# Allegro board buddy_lay_rev1.brd (continued)
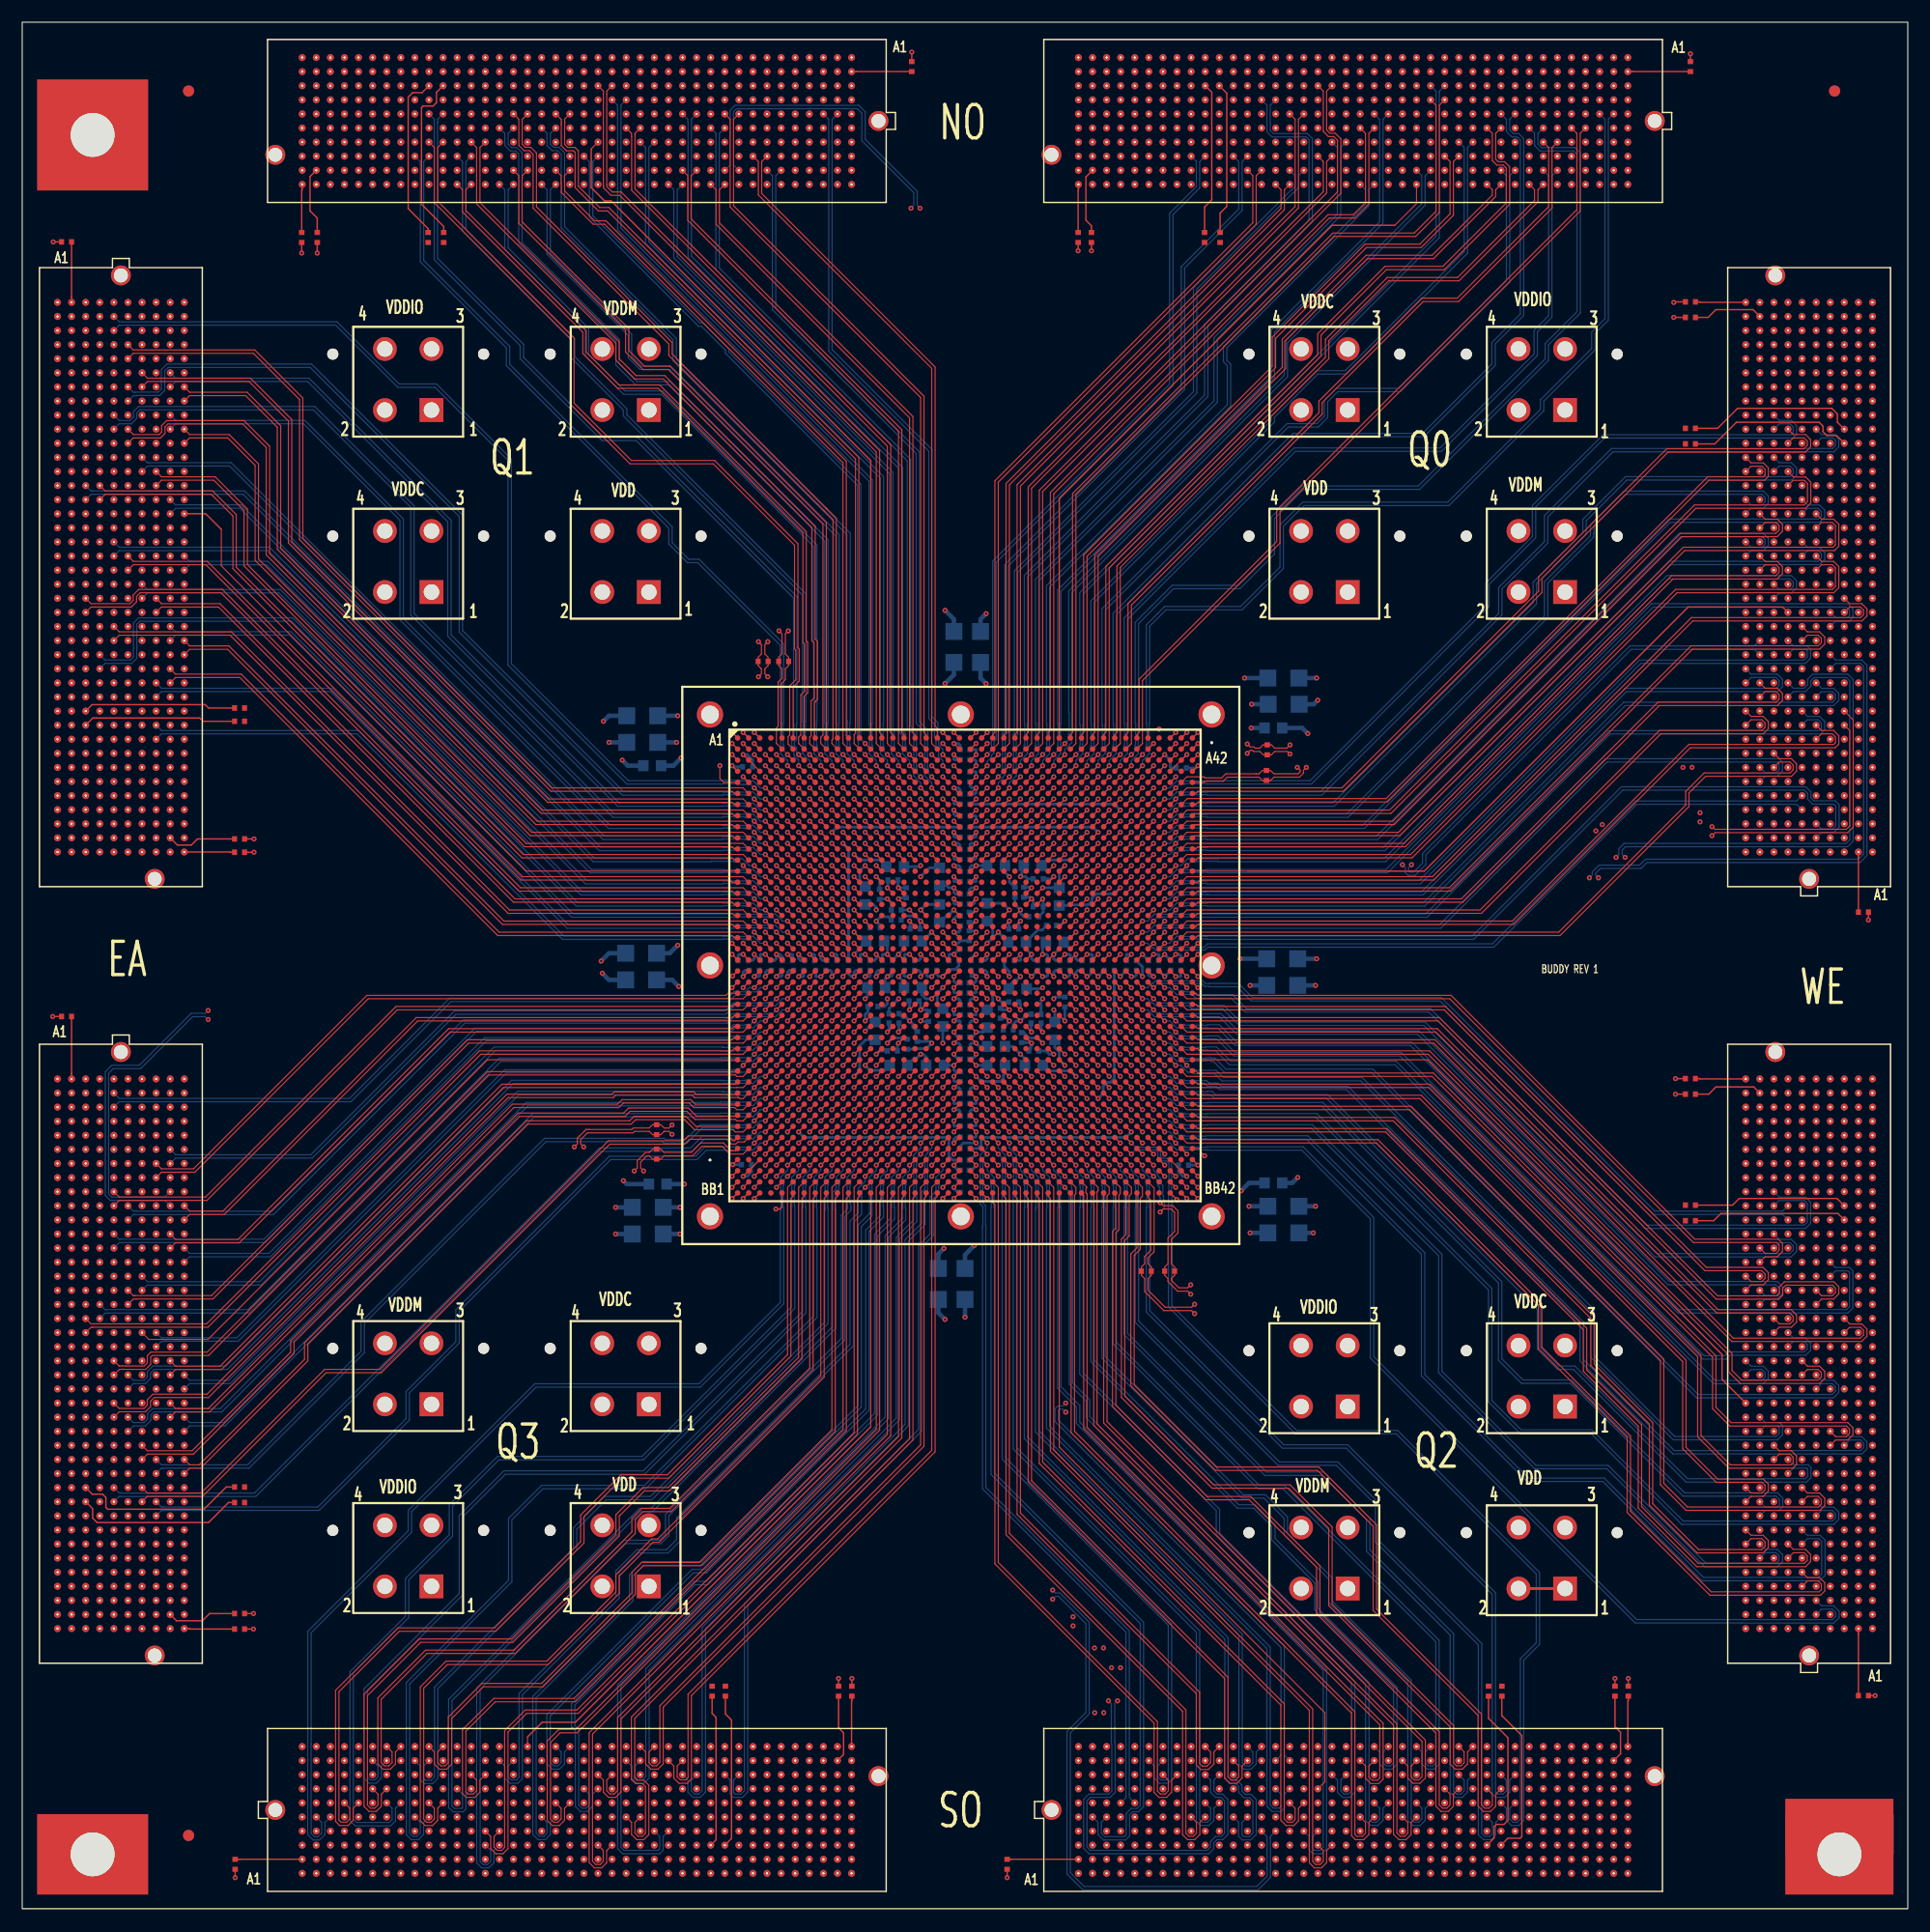
[diagram p0: board, top side]
## Routing (per net, layer and track width the routed paths; a pad name or vN(x,y) marks a point on that pad's centre or on a via; arc(x,y) is an arc through that point) (continued)
157.13,53.18 ; J4.J23 156.66,52.71 ; J4.J23 156.66,53.66 ; 10.8,144.76 10.8,145.23 ; 10.8,144.76 10.33,144.76 ; 10.8,144.76 10.8,144.28 ; 10.8,144.76 11.28,144.76 ; 34.13,5.72 34.13,6.2 ; 34.13,5.72 34.61,5.72 ; 34.13,5.72 34.13,5.25 ; 34.13,5.72 33.66,5.72 ; J7.D25 7,44.77 ; J7.D25 7.47,44.29 ; J7.D25 7,43.82 ; J7.D25 6.52,44.29 ; 9.06,115.55 J8.F24 ; J8.F24 9.54,116.02 ; J8.F24 9.54,115.07 ; J8.F24 10.01,115.55 ; 157.45,116.82 J3.H18 ; J3.H18 158.4,116.82 ; J3.H18 157.93,117.29 ; J3.H18 157.93,116.34 ; 115.07,13.35 J5.J17 ; J5.J17 115.55,13.82 ; J5.J17 116.02,13.35 ; J5.J17 115.55,12.87 ; 163.8,65.88 J4.C33 ; J4.C33 164.28,66.36 ; J4.C33 164.75,65.88 ; J4.C33 164.28,65.41 ; 41.75,10.33 41.75,10.8 ; 41.75,10.8 42.23,10.8 ; 41.75,10.8 41.28,10.8 ; 41.75,10.8 41.75,11.28 ; 141.74,160.47 J2.F3 ; J2.F3 142.22,160.94 ; J2.F3 142.69,160.47 ; J2.F3 142.22,159.99 ; 13.35,70.96 13.82,70.96 ; 13.35,70.96 13.35,70.49 ; 13.35,70.96 12.87,70.96 ; 13.35,70.96 13.35,71.44 ; 50.17,14.62 J6.K21 ; J6.K21 50.64,15.09 ; J6.K21 50.64,14.14 ; J6.K21 51.12,14.62 ; J1.B7 67.63,165.54 ; J1.B7 66.68,165.54 ; J1.B7 67.15,166.02 ; J1.B7 67.15,165.07 ; J5.B2 96.97,4.46 ; J5.B2 96.5,4.93 ; J5.B2 96.5,3.98 ; J5.B2 96.02,4.46 ; 128.25,14.62 128.25,15.09 ; 128.25,14.62 128.25,14.14 ; 128.25,14.62 128.72,14.62 ; 128.25,14.62 127.77,14.62 ; J5.G26 126.98,11.28 ; J5.G26 127.45,10.8 ; J5.G26 126.98,10.33 ; J5.G26 126.5,10.8 ; 160.47,120.15 J3.F21 ; J3.F21 159.99,120.63 ; J3.F21 160.94,120.63 ; J3.F21 160.47,121.1 ; 154.91,43.02 J4.K15 ; J4.K15 155.38,42.55 ; J4.K15 155.86,43.02 ; J4.K15 155.38,43.5 ; J4.F39 160.47,73.98 ; J4.F39 160.94,73.5 ; J4.F39 159.99,73.5 ; J4.F39 160.47,73.03 ; J1.C16 55.72,164.75 ; J1.C16 55.72,163.8 ; J1.C16 55.25,164.28 ; J1.C16 56.2,164.28 ; J3.A24 167.29,124.44 ; J3.A24 166.81,123.96 ; J3.A24 166.81,124.91 ; J3.A24 166.34,124.44 ; J3.F12 160.94,109.2 ; J3.F12 159.99,109.2 ; J3.F12 160.47,108.72 ; J3.F12 160.47,109.67 ; 160.47,31.12 J4.F6 ; J4.F6 160.47,32.07 ; J4.F6 159.99,31.59 ; J4.F6 160.94,31.59 ; 161.74,72.23 161.74,72.71 ; 161.74,72.23 161.26,72.23 ; 161.74,72.23 161.74,71.76 ; 161.74,72.23 162.21,72.23 ; J6.H6 31.59,12.55 ; J6.H6 31.59,11.6 ; J6.H6 32.07,12.07 ; J6.H6 31.12,12.07 ; 70.49,7 70.96,7 ; 70.96,7 70.96,7.47 ; 70.96,7 71.44,7 ; 70.96,7 70.96,6.52 ; J5.G23 123.17,11.28 ; J5.G23 123.17,10.33 ; J5.G23 123.64,10.8 ; J5.G23 122.69,10.8 ; J8.G40 11.28,95.23 ; J8.G40 10.33,95.23 ; J8.G40 10.8,95.7 ; J8.G40 10.8,94.75 ; 143.49,4.46 143.49,4.93 ; 143.49,4.46 143.96,4.46 ; 143.49,4.46 143.49,3.98 ; 143.49,4.46 143.01,4.46 ; 162.53,44.29 J4.D16 ; J4.D16 163.48,44.29 ; J4.D16 163,43.82 ; J4.D16 163,44.77 ; J6.K15 43.02,15.09 ; J6.K15 43.5,14.62 ; J6.K15 43.02,14.14 ; J6.K15 42.55,14.62 ; J8.E17 8.74,124.44 ; J8.E17 7.79,124.44 ; J8.E17 8.27,124.91 ; J8.E17 8.27,123.96 ; 115.55,157.45 J2.H24 ; J2.H24 115.07,157.93 ; J2.H24 115.55,158.4 ; J2.H24 116.02,157.93 ; J4.B14 166.02,41.75 ; J4.B14 165.07,41.75 ; J4.B14 165.54,42.23 ; J4.B14 165.54,41.28 ; 113.01,156.18 J2.J26 ; J2.J26 112.53,156.66 ; J2.J26 113.01,157.13 ; J2.J26 113.48,156.66 ; J8.B10 4.93,133.33 ; J8.B10 4.46,133.8 ; J8.B10 3.98,133.33 ; J8.B10 4.46,132.85 ; 64.14,164.28 J1.C9 ; J1.C9 65.09,164.28 ; J1.C9 64.61,164.75 ; J1.C9 64.61,163.8 ; 56.99,157.45 J1.H15 ; J1.H15 56.52,157.93 ; J1.H15 57.47,157.93 ; J1.H15 56.99,158.4 ; J5.J32 134.6,13.82 ; J5.J32 134.12,13.35 ; J5.J32 134.6,12.87 ; J5.J32 135.07,13.35 ; J2.F18 123.64,160.47 ; J2.F18 122.69,160.47 ; J2.F18 123.17,160.94 ; J2.F18 123.17,159.99 ; 99.04,5.72 99.04,6.2 ; 99.04,5.72 99.51,5.72 ; 99.04,5.72 99.04,5.25 ; 99.04,5.72 98.56,5.72 ; 9.54,141.74 J8.F3 ; J8.F3 10.01,142.22 ; J8.F3 9.54,142.69 ; J8.F3 9.06,142.22 ; 114.28,5.25 114.28,5.72 ; 114.28,5.72 114.28,6.2 ; 114.28,5.72 113.8,5.72 ; 114.28,5.72 114.75,5.72 ; J6.K24 54.45,15.09 ; J6.K24 54.45,14.14 ; J6.K24 53.98,14.62 ; J6.K24 54.93,14.62 ; 14.14,68.42 J7.K6 ; J7.K6 15.09,68.42 ; J7.K6 14.62,67.95 ; J7.K6 14.62,68.9 ; J8.F12 9.54,131.26 ; J8.F12 9.54,130.31 ; J8.F12 10.01,130.79 ; J8.F12 9.06,130.79 ; J6.A32 64.61,3.66 ; J6.A32 64.61,2.71 ; J6.A32 64.14,3.19 ; J6.A32 65.09,3.19 ; J8.K24 14.62,116.02 ; J8.K24 14.14,115.55 ; J8.K24 14.62,115.07 ; J8.K24 15.09,115.55 ; 29.05,10.8 29.05,11.28 ; 29.05,10.8 28.58,10.8 ; 29.05,10.8 29.53,10.8 ; 29.05,10.8 29.05,10.33 ; J4.A24 166.81,54.93 ; J4.A24 166.34,54.45 ; J4.A24 166.81,53.98 ; J4.A24 167.29,54.45 ; J4.C32 164.75,64.61 ; J4.C32 164.28,65.09 ; J4.C32 163.8,64.61 ; J4.C32 164.28,64.14 ; 60.33,155.38 J1.K12 ; J1.K12 60.8,154.91 ; J1.K12 61.28,155.38 ; J1.K12 60.8,155.86 ; 158.72,56.99 J4.G26 ; J4.G26 159.19,56.52 ; J4.G26 159.19,57.47 ; J4.G26 159.67,56.99 ; J4.B2 166.02,26.51 ; J4.B2 165.07,26.51 ; J4.B2 165.54,26.04 ; J4.B2 165.54,26.99 ; 45.56,12.87 J6.J17 ; J6.J17 46.04,13.35 ; J6.J17 45.56,13.82 ; J6.J17 45.09,13.35 ; 30.32,10.8 30.32,11.28 ; 30.32,10.8 30.8,10.8 ; 30.32,10.8 29.85,10.8 ; 30.32,10.8 30.32,10.33 ; 114.06,45.25 J21.2 ; J21.2 116.54,45.25 ; J21.2 115.3,46.49 ; J21.2 115.3,44.01 ; 97.29,12.07 J5.H3 ; J5.H3 98.24,12.07 ; J5.H3 97.77,11.6 ; J5.H3 97.77,12.55 ; 158.72,74.77 J4.G40 ; J4.G40 159.67,74.77 ; J4.G40 159.19,74.3 ; J4.G40 159.19,75.25 ; 34.13,159.99 J1.F33 ; J1.F33 34.61,160.47 ; J1.F33 34.13,160.94 ; J1.F33 33.66,160.47 ; 154.91,116.82 J3.K18 ; J3.K18 155.38,116.34 ; J3.K18 155.38,117.29 ; J3.K18 155.86,116.82 ; J2.J38 98.24,156.66 ; J2.J38 97.29,156.66 ; J2.J38 97.77,157.13 ; J2.J38 97.77,156.18 ; 64.14,166.81 J1.A9 ; J1.A9 64.61,166.34 ; J1.A9 64.61,167.29 ; J1.A9 65.09,166.81 ; 126.98,7.79 J5.E26 ; J5.E26 127.45,8.27 ; J5.E26 126.5,8.27 ; J5.E26 126.98,8.74 ; J5.F18 116.82,10.01 ; J5.F18 116.82,9.06 ; J5.F18 116.34,9.54 ; J5.F18 117.29,9.54 ; 14.14,143.49 J8.K2 ; J8.K2 14.62,143.96 ; J8.K2 14.62,143.01 ; J8.K2 15.09,143.49 ; J1.H21 49.37,158.4 ; J1.H21 49.85,157.93 ; J1.H21 49.37,157.45 ; J1.H21 48.9,157.93 ; J7.J32 13.35,35.88 ; J7.J32 13.35,34.93 ; J7.J32 13.82,35.4 ; J7.J32 12.87,35.4 ; J18.2 53.54,45.45 ; J18.2 52.3,44.21 ; J18.2 52.3,46.69 ; J18.2 51.06,45.45 ; 119.36,3.19 119.36,3.66 ; 119.36,3.19 118.88,3.19 ; 119.36,3.19 119.83,3.19 ; 119.36,3.19 119.36,2.71 ; J3.C24 164.75,124.44 ; J3.C24 164.28,123.96 ; J3.C24 163.8,124.44 ; J3.C24 164.28,124.91 ; 163.8,60.8 J4.C29 ; J4.C29 164.75,60.8 ; J4.C29 164.28,61.28 ; J4.C29 164.28,60.33 ; J2.D28 110.94,163 ; J2.D28 109.99,163 ; J2.D28 110.47,162.53 ; J2.D28 110.47,163.48 ; 97.29,161.74 97.77,161.74 ; 97.77,161.74 97.77,161.26 ; 97.77,161.74 98.24,161.74 ; 97.77,161.74 97.77,162.21 ; 166.81,99.83 J3.A5 ; J3.A5 167.29,100.31 ; J3.A5 166.81,100.78 ; J3.A5 166.34,100.31 ; J2.K24 116.02,155.38 ; J2.K24 115.07,155.38 ; J2.K24 115.55,154.91 ; J2.K24 115.55,155.86 ; 6.52,29.05 7,29.05 ; 7,29.05 7.47,29.05 ; 7,29.05 7,28.58 ; 7,29.05 7,29.53 ; 128.25,156.18 J2.J14 ; J2.J14 128.25,157.13 ; J2.J14 127.77,156.66 ; J2.J14 128.72,156.66 ; J1.B38 28.26,165.54 ; J1.B38 27.78,165.07 ; J1.B38 27.31,165.54 ; J1.B38 27.78,166.02 ; J1.B31 36.67,166.02 ; J1.B31 36.2,165.54 ; J1.B31 37.15,165.54 ; J1.B31 36.67,165.07 ; J5.E17 116.02,8.27 ; J5.E17 115.07,8.27 ; J5.E17 115.55,8.74 ; J5.E17 115.55,7.79 ; 2.71,29.05 J7.A37 ; J7.A37 3.19,28.58 ; J7.A37 3.66,29.05 ; J7.A37 3.19,29.53 ; 161.74,107.93 161.74,108.4 ; 161.74,107.93 161.26,107.93 ; 161.74,107.93 162.21,107.93 ; 161.74,107.93 161.74,107.45 ; 165.07,96.5 J3.B2 ; J3.B2 165.54,96.97 ; J3.B2 165.54,96.02 ; J3.B2 166.02,96.5 ; 12.87,54.45 J7.J17 ; J7.J17 13.82,54.45 ; J7.J17 13.35,53.98 ; J7.J17 13.35,54.93 ; 12.87,25.24 J7.J40 ; J7.J40 13.35,24.77 ; J7.J40 13.82,25.24 ; J7.J40 13.35,25.72 ; 121.42,163 J2.D19 ; J2.D19 122.37,163 ; J2.D19 121.9,162.53 ; J2.D19 121.9,163.48 ; J3.B23 165.54,123.64 ; J3.B23 166.02,123.17 ; J3.B23 165.07,123.17 ; J3.B23 165.54,122.69 ; 139.68,2.71 J5.A36 ; J5.A36 139.2,3.19 ; J5.A36 139.68,3.66 ; J5.A36 140.15,3.19 ; 166.81,43.82 J4.A16 ; J4.A16 166.34,44.29 ; J4.A16 167.29,44.29 ; J4.A16 166.81,44.77 ; J8.H12 12.07,131.26 ; J8.H12 12.07,130.31 ; J8.H12 12.55,130.79 ; J8.H12 11.6,130.79 ; 44.29,5.72 44.77,5.72 ; 44.29,5.72 44.29,6.2 ; 44.29,5.72 44.29,5.25 ; 44.29,5.72 43.82,5.72 ; 7.79,74.77 8.27,74.77 ; 8.27,74.77 8.74,74.77 ; 8.27,74.77 8.27,74.3 ; 8.27,74.77 8.27,75.25 ; J3.B30 166.02,132.06 ; J3.B30 165.07,132.06 ; J3.B30 165.54,132.53 ; J3.B30 165.54,131.58 ; J4.G4 159.67,29.05 ; J4.G4 158.72,29.05 ; J4.G4 159.19,28.58 ; J4.G4 159.19,29.53 ; 166.34,105.39 J3.A9 ; J3.A9 167.29,105.39 ; J3.A9 166.81,104.91 ; J3.A9 166.81,105.86 ; J1.G8 65.88,159.67 ; J1.G8 65.41,159.19 ; J1.G8 65.88,158.72 ; J1.G8 66.36,159.19 ; 98.56,8.27 99.04,8.27 ; 99.04,8.27 99.04,7.79 ; 99.04,8.27 99.51,8.27 ; 99.04,8.27 99.04,8.74 ; J4.D7 163,33.34 ; J4.D7 163.48,32.86 ; J4.D7 163,32.39 ; J4.D7 162.53,32.86 ; 161.74,142.22 161.74,142.69 ; 161.74,142.22 161.74,141.74 ; 161.74,142.22 162.21,142.22 ; 161.74,142.22 161.26,142.22 ; 132.06,14.14 132.06,14.62 ; 132.06,14.62 131.58,14.62 ; 132.06,14.62 132.06,15.09 ; 132.06,14.62 132.53,14.62 ; 114.28,166.34 J2.A25 ; J2.A25 114.28,167.29 ; J2.A25 114.75,166.81 ; J2.A25 113.8,166.81 ; 95.23,5.72 95.7,5.72 ; 95.23,5.72 94.75,5.72 ; 95.23,5.72 95.23,6.2 ; 95.23,5.72 95.23,5.25 ; 165.07,32.86 J4.B7 ; J4.B7 165.54,33.34 ; J4.B7 166.02,32.86 ; J4.B7 165.54,32.39 ; 3.98,27.78 4.46,27.78 ; 4.46,27.78 4.46,28.26 ; 4.46,27.78 4.46,27.31 ; 4.46,27.78 4.93,27.78 ; 103.64,166.81 J2.A33 ; J2.A33 104.12,166.34 ; J2.A33 104.59,166.81 ; J2.A33 104.12,167.29 ; 143.49,14.62 143.49,15.09 ; 143.49,14.62 143.01,14.62 ; 143.49,14.62 143.96,14.62 ; 143.49,14.62 143.49,14.14 ; 126.5,4.46 J5.B26 ; J5.B26 126.98,4.93 ; J5.B26 126.98,3.98 ; J5.B26 127.45,4.46 ; J4.B35 165.54,68.9 ; J4.B35 165.07,68.42 ; J4.B35 165.54,67.95 ; J4.B35 166.02,68.42 ; J7.F6 9.54,68.9 ; J7.F6 10.01,68.42 ; J7.F6 9.06,68.42 ; J7.F6 9.54,67.95 ; J8.B14 4.46,128.72 ; J8.B14 4.46,127.77 ; J8.B14 3.98,128.25 ; J8.B14 4.93,128.25 ; J4.B18 165.54,47.31 ; J4.B18 166.02,46.83 ; J4.B18 165.07,46.83 ; J4.B18 165.54,46.36 ; 137.93,157.93 J2.H6 ; J2.H6 138.88,157.93 ; J2.H6 138.41,158.4 ; J2.H6 138.41,157.45 ; J2.H18 123.17,158.4 ; J2.H18 123.64,157.93 ; J2.H18 122.69,157.93 ; J2.H18 123.17,157.45 ; 102.85,3.98 J5.B7 ; J5.B7 102.85,4.93 ; J5.B7 103.32,4.46 ; J5.B7 102.37,4.46 ; 104.12,10.8 104.59,10.8 ; 104.12,10.8 103.64,10.8 ; 104.12,10.8 104.12,10.33 ; 104.12,10.8 104.12,11.28 ; 111.26,157.93 J2.H27 ; J2.H27 112.21,157.93 ; J2.H27 111.74,158.4 ; J2.H27 111.74,157.45 ; 3.98,111.74 J8.B27 ; J8.B27 4.93,111.74 ; J8.B27 4.46,111.26 ; J8.B27 4.46,112.21 ; J22.2 136.14,45.25 ; J22.2 133.66,45.25 ; J22.2 134.9,44.01 ; J22.2 134.9,46.49 ; 164.28,45.09 J4.C17 ; J4.C17 164.28,46.04 ; J4.C17 164.75,45.56 ; J4.C17 163.8,45.56 ; 134.6,5.25 J5.C32 ; J5.C32 135.07,5.72 ; J5.C32 134.6,6.2 ; J5.C32 134.12,5.72 ; J2.J23 116.82,157.13 ; J2.J23 116.82,156.18 ; J2.J23 117.29,156.66 ; J2.J23 116.34,156.66 ; J4.F18 160.94,46.83 ; J4.F18 159.99,46.83 ; J4.F18 160.47,46.36 ; J4.F18 160.47,47.31 ; J3.D2 163.48,96.5 ; J3.D2 163,96.02 ; J3.D2 163,96.97 ; J3.D2 162.53,96.5 ; 3.19,125.23 3.19,125.71 ; 3.19,125.71 3.19,126.18 ; 3.19,125.71 3.66,125.71 ; 3.19,125.71 2.71,125.71 ; 104.91,159.19 J2.G32 ; J2.G32 105.39,158.72 ; J2.G32 105.39,159.67 ; J2.G32 105.86,159.19 ; 125.71,6.52 J5.D25 ; J5.D25 125.71,7.47 ; J5.D25 126.18,7 ; J5.D25 125.23,7 ; J6.F6 31.59,10.01 ; J6.F6 31.59,9.06 ; J6.F6 31.12,9.54 ; J6.F6 32.07,9.54 ; 109.2,11.6 J5.H12 ; J5.H12 109.67,12.07 ; J5.H12 109.2,12.55 ; J5.H12 108.72,12.07 ; 12.87,50.64 J7.J20 ; J7.J20 13.35,51.12 ; J7.J20 13.35,50.17 ; J7.J20 13.82,50.64 ; 25.24,8.27 25.72,8.27 ; 25.24,8.27 25.24,7.79 ; 25.24,8.27 25.24,8.74 ; 25.24,8.27 24.77,8.27 ; 69.69,166.34 J1.A5 ; J1.A5 69.22,166.81 ; J1.A5 69.69,167.29 ; J1.A5 70.17,166.81 ; J2.K36 100.31,155.86 ; J2.K36 99.83,155.38 ; J2.K36 100.78,155.38 ; J2.K36 100.31,154.91 ; 142.22,165.07 J2.B3 ; J2.B3 142.69,165.54 ; J2.B3 142.22,166.02 ; J2.B3 141.74,165.54 ; 126.5,165.54 J2.B15 ; J2.B15 127.45,165.54 ; J2.B15 126.98,166.02 ; J2.B15 126.98,165.07 ; 9.54,100.31 10.01,100.31 ; 9.54,100.31 9.54,99.83 ; 9.54,100.31 9.54,100.78 ; 9.54,100.31 9.06,100.31 ; J4.K18 155.86,46.83 ; J4.K18 154.91,46.83 ; J4.K18 155.38,46.36 ; J4.K18 155.38,47.31 ; J5.J40 144.76,13.82 ; J5.J40 145.23,13.35 ; J5.J40 144.28,13.35 ; J5.J40 144.76,12.87 ; 65.41,12.07 J6.H33 ; J6.H33 65.88,12.55 ; J6.H33 66.36,12.07 ; J6.H33 65.88,11.6 ; 29.05,13.35 29.53,13.35 ; 29.05,13.35 29.05,13.82 ; 29.05,13.35 29.05,12.87 ; 29.05,13.35 28.58,13.35 ; 123.96,156.66 J2.J17 ; J2.J17 124.44,156.18 ; J2.J17 124.44,157.13 ; J2.J17 124.91,156.66 ; J7.C32 6.2,35.4 ; J7.C32 5.25,35.4 ; J7.C32 5.72,34.93 ; J7.C32 5.72,35.88 ; 157.45,31.59 J4.H6 ; J4.H6 157.93,31.12 ; J4.H6 157.93,32.07 ; J4.H6 158.4,31.59 ; 73.03,163 J1.D2 ; J1.D2 73.98,163 ; J1.D2 73.5,162.53 ; J1.D2 73.5,163.48 ; 119.36,5.72 119.36,6.2 ; 119.36,5.72 119.36,5.25 ; 119.36,5.72 119.83,5.72 ; 119.36,5.72 118.88,5.72 ; J7.H12 12.07,61.28 ; J7.H12 12.55,60.8 ; J7.H12 11.6,60.8 ; J7.H12 12.07,60.33 ; 3.98,138.41 J8.B6 ; J8.B6 4.46,138.88 ; J8.B6 4.46,137.93 ; J8.B6 4.93,138.41 ; 163,106.18 J3.D10 ; J3.D10 162.53,106.66 ; J3.D10 163,107.13 ; J3.D10 163.48,106.66 ; J5.B19 118.09,4.93 ; J5.B19 117.61,4.46 ; J5.B19 118.56,4.46 ; J5.B19 118.09,3.98 ; 53.98,9.54 J6.F24 ; J6.F24 54.93,9.54 ; J6.F24 54.45,9.06 ; J6.F24 54.45,10.01 ; 24.77,13.35 25.24,13.35 ; 25.24,13.35 25.24,12.87 ; 25.24,13.35 25.72,13.35 ; 25.24,13.35 25.24,13.82 ; J2.H15 126.98,158.4 ; J2.H15 127.45,157.93 ; J2.H15 126.98,157.45 ; J2.H15 126.5,157.93 ; J1.C28 40.96,164.28 ; J1.C28 40.48,163.8 ; J1.C28 40.01,164.28 ; J1.C28 40.48,164.75 ; J6.B7 32.86,4.93 ; J6.B7 32.39,4.46 ; J6.B7 33.34,4.46 ; J6.B7 32.86,3.98 ; J6.H12 39.69,12.07 ; J6.H12 38.74,12.07 ; J6.H12 39.21,11.6 ; J6.H12 39.21,12.55 ; 29.05,166.34 J1.A37 ; J1.A37 29.05,167.29 ; J1.A37 29.53,166.81 ; J1.A37 28.58,166.81 ; 141.74,163 J2.D3 ; J2.D3 142.22,162.53 ; J2.D3 142.22,163.48 ; J2.D3 142.69,163 ; 3.19,24.77 J7.A40 ; J7.A40 2.71,25.24 ; J7.A40 3.66,25.24 ; J7.A40 3.19,25.72 ; 130.31,164.28 J2.C12 ; J2.C12 130.79,164.75 ; J2.C12 130.79,163.8 ; J2.C12 131.26,164.28 ; 64.14,8.27 J6.E32 ; J6.E32 64.61,7.79 ; J6.E32 64.61,8.74 ; J6.E32 65.09,8.27 ; 65.88,9.54 65.88,10.01 ; 65.88,9.54 66.36,9.54 ; 65.88,9.54 65.88,9.06 ; 65.88,9.54 65.41,9.54 ; 3.98,46.83 J7.B23 ; J7.B23 4.93,46.83 ; J7.B23 4.46,46.36 ; J7.B23 4.46,47.31 ; 49.37,7.79 J6.E20 ; J6.E20 49.85,8.27 ; J6.E20 48.9,8.27 ; J6.E20 49.37,8.74 ; 40.01,5.72 40.48,5.72 ; 40.48,5.72 40.48,5.25 ; 40.48,5.72 40.96,5.72 ; 40.48,5.72 40.48,6.2 ; 62.07,161.74 62.07,162.21 ; 62.07,161.74 61.6,161.74 ; 62.07,161.74 62.55,161.74 ; 62.07,161.74 62.07,161.26 ; 5.72,113.8 5.72,114.28 ; 5.72,114.28 5.25,114.28 ; 5.72,114.28 6.2,114.28 ; 5.72,114.28 5.72,114.75 ; J1.A28 40.48,167.29 ; J1.A28 40.01,166.81 ; J1.A28 40.48,166.34 ; J1.A28 40.96,166.81 ; 159.99,139.68 J3.F36 ; J3.F36 160.94,139.68 ; J3.F36 160.47,139.2 ; J3.F36 160.47,140.15 ; J1.K36 30.8,155.38 ; J1.K36 30.32,154.91 ; J1.K36 30.32,155.86 ; J1.K36 29.85,155.38 ; 50.64,161.74 50.64,162.21 ; 50.64,161.74 50.17,161.74 ; 50.64,161.74 50.64,161.26 ; 50.64,161.74 51.12,161.74 ; 161.74,41.75 162.21,41.75 ; 161.74,41.75 161.74,42.23 ; 161.74,41.75 161.74,41.28 ; 161.74,41.75 161.26,41.75 ; J2.A36 100.78,166.81 ; J2.A36 100.31,167.29 ; J2.A36 99.83,166.81 ; J2.A36 100.31,166.34 ; J2.K2 143.49,155.86 ; J2.K2 143.96,155.38 ; J2.K2 143.01,155.38 ; J2.K2 143.49,154.91 ; 55.25,7 J6.D25 ; J6.D25 56.2,7 ; J6.D25 55.72,6.52 ; J6.D25 55.72,7.47 ; 156.66,122.69 J3.J23 ; J3.J23 156.66,123.64 ; J3.J23 157.13,123.17 ; J3.J23 156.18,123.17 ; 45.56,157.45 J1.H24 ; J1.H24 45.09,157.93 ; J1.H24 45.56,158.4 ; J1.H24 46.04,157.93 ; 154.91,97.77 J3.K3 ; J3.K3 155.38,98.24 ; J3.K3 155.86,97.77 ; J3.K3 155.38,97.29 ; J3.J4 157.13,99.04 ; J3.J4 156.66,98.56 ; J3.J4 156.18,99.04 ; J3.J4 156.66,99.51 ; 113.01,11.6 J5.H15 ; J5.H15 112.53,12.07 ; J5.H15 113.48,12.07 ; J5.H15 113.01,12.55 ; 129.52,6.52 129.52,7 ; 129.52,7 129.99,7 ; 129.52,7 129.04,7 ; 129.52,7 129.52,7.47 ; J8.B11 4.93,132.06 ; J8.B11 4.46,132.53 ; J8.B11 3.98,132.06 ; J8.B11 4.46,131.58 ; 143.49,157.45 J2.H2 ; J2.H2 143.49,158.4 ; J2.H2 143.96,157.93 ; J2.H2 143.01,157.93 ; J7.B30 4.46,38.42 ; J7.B30 4.93,37.94 ; J7.B30 3.98,37.94 ; J7.B30 4.46,37.47 ; 158.72,95.23 J3.G1 ; J3.G1 159.19,95.7 ; J3.G1 159.19,94.75 ; J3.G1 159.67,95.23 ; J1.H2 73.98,157.93 ; J1.H2 73.5,157.45 ; J1.H2 73.5,158.4 ; J1.H2 73.03,157.93 ; J4.D25 163,56.2 ; J4.D25 162.53,55.72 ; J4.D25 163,55.25 ; J4.D25 163.48,55.72 ; 10.8,131.58 J8.G11 ; J8.G11 10.8,132.53 ; J8.G11 10.33,132.06 ; J8.G11 11.28,132.06 ; 155.38,57.79 J4.K27 ; J4.K27 155.38,58.74 ; J4.K27 154.91,58.26 ; J4.K27 155.86,58.26